# KiCad board 6502PC-6U.kicad_pcb (continued)
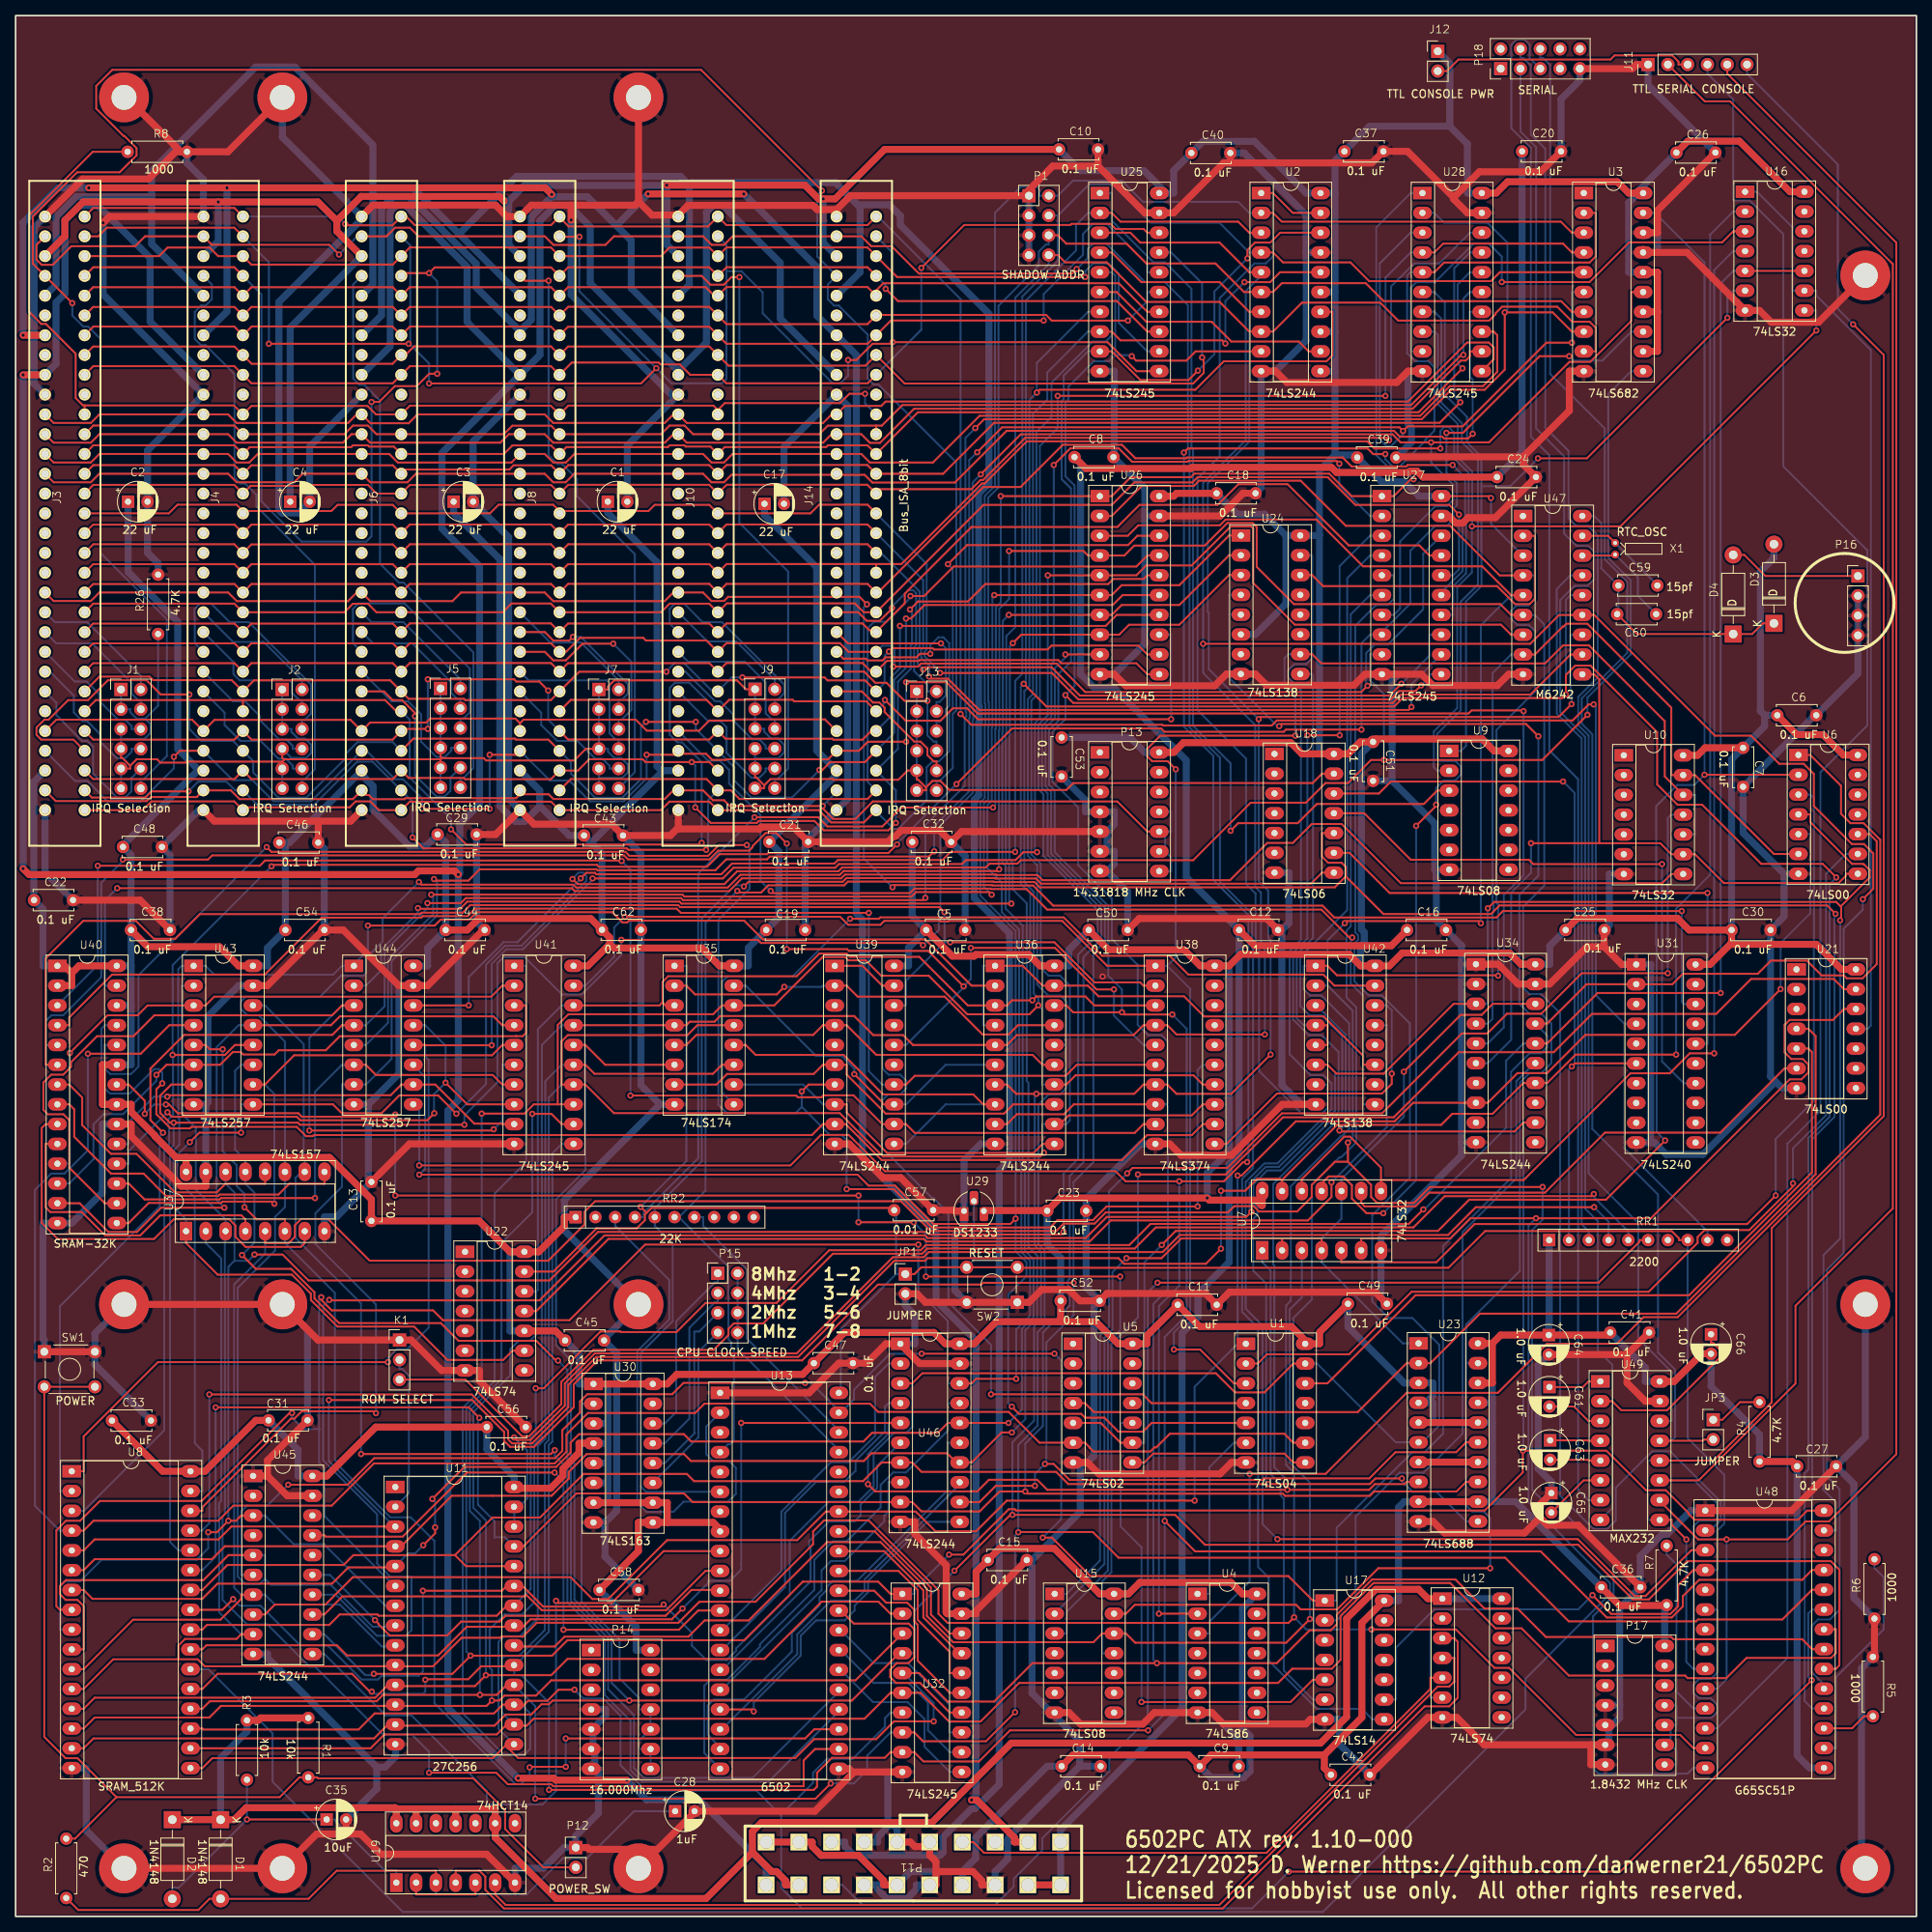
[diagram p0: board, top side]
## Routing (per net, layer and track width the routed paths; a pad name or vN(x,y) marks a point on that pad's centre or on a via; arc(x,y) is an arc through that point) (continued)
  Bottom w0.25: RR1.5 207.02,87.94 202.59,92.37 v1(202.59,92.74)
PWR_ON: length 72.3
  Top w0.25: U12.5 181.62,30.63 181.62,29.2 160.57,8.16 124.32,8.16 122.93,9.55 P11.8
R/W: length 396.6
  Top w0.25: U48.28 229.97,52.09 228.8,50.92 215.49,50.92 214.75,51.67 214.75,51.79 211.83,54.71 209.29,54.71 204.21,59.79 v1(193.48,59.79) 193.48,57 188.58,52.11 128.43,52.11 128.26,52.27 127.49,52.27 121.66,46.44 v1(119.82,46.44) ; v1(45.98,31.14) 45.99,31.13 56.07,31.13 v1(58.41,33.47) 68.86,33.47 70.85,35.46 93.54,35.46 101.06,42.97 110.73,42.97 112.3,41.4 U32.1 ; U34.12 193.55,101.9 192.41,100.76 170.06,100.76 v1(169.93,100.88)
  Bottom w0.25: v1(45.98,31.14) 45.81,30.97 44.89,30.97 39.63,36.22 U45.12 ; U34.12 193.55,101.9 193.55,59.86 v1(193.48,59.79) ; v1(169.93,100.88) 170.74,101.69 170.74,113.17 166.97,116.94 U42.3 ; U41.1 65.53,122.02 65.53,96.81 61.48,92.75 61.48,68.71 57.86,65.09 57.86,34.02 v1(58.41,33.47) ; v1(119.82,46.44) 115.35,41.97 115.35,41.4 U32.1
RESET: length 362.6
  Top w0.25: J3.2 2.69,214.57 2.69,212.68 3.35,212.01 4.76,212.01 7.15,214.4 15.35,214.4 16.62,215.67 J4.2 25.19,214.58 40.27,214.58 v1(41.52,213.33) ; J6.2 47.6,215.67 48.71,216.77 50.62,216.77 51.73,215.67 J8.2 67.94,215.67 69.04,214.56 75.71,214.56 76.82,215.67 J10.2 88.25,215.67 89.35,214.57 90.95,214.57 92.05,215.67 J14.2 108.56,215.67 109.83,214.4 112.46,214.4 115.96,210.89 135.63,210.89 v1(136.2,211.46)
  Bottom w0.25: v1(41.52,213.33) 43.85,215.67 J6.2 ; U17.8 174.15,25.3 172.8,26.64 167.05,26.64 160.87,32.83 160.87,43.47 159.5,44.84 159.5,75.54 157.44,77.59 157.44,94.65 158.85,96.06 158.85,124.18 158.72,124.3 158.72,128.7 154.6,132.82 154.6,148.74 150.69,152.64 150.69,188.2 150.48,188.41 150.48,206.83 147.5,209.82 144.96,209.82 140.02,214.75 138.33,214.75 137.62,214.04 137.62,212.88 v1(136.2,211.46)
RTS: length 188.9
  Bottom w0.25: P18.4 193.17,238.55 193.54,238.55 194.51,237.59 194.51,228.74 196.37,226.88 196.37,191.1 199.34,188.13 199.34,179.49 200.34,178.49 201.85,178.49 203.09,177.25 203.09,159.04 200.59,156.54 200.59,152.92 201.92,151.59 201.92,95.38 208.29,89.01 208.29,74.2 212.57,69.92 212.57,63.6 U49.14
RTS_TTL: length 242.2
  Top w0.25: J11.2 216.82,233 220.08,233 240.97,212.11 240.97,90.88 228.48,78.39 228.48,68.4 216.05,55.98 U49.11
  Bottom w0.25: U48.8 215.37,34.31 215.37,50.06 216.13,50.82 218.13,50.82 218.42,51.11 218.42,53.03 215.47,55.98 U49.11
RXD: length 197.3
  Bottom w0.25: U49.8 204.95,52.42 204.95,70.81 203.11,72.66 203.11,89.24 201.47,90.88 201.47,151.4 198.28,154.59 198.28,168.96 200.12,170.8 201.77,170.8 202.64,171.67 202.64,175.18 201.87,175.95 200.34,175.95 198.78,177.52 198.78,187.42 195.18,191.01 195.18,227.11 193.17,229.12 P18.3
RXD_TTL: length 232.7
  Bottom w0.25: U48.12 218.42,24.15 227.43,33.17 227.43,99.2 231.68,103.45 231.68,146.87 237.69,152.88 237.69,175.37 226.92,186.15 226.92,215.94 222.59,220.26 220.59,220.26 220.48,220.37 220.48,233.24 217.18,236.54 J11.4
SHADOW-IO: length 129
  Top w0.25: U21.4 230.13,113.94 231.06,113.02 231.06,95.26 213.17,77.37 187.97,77.37 181.62,71.02 U23.2 178.57,71.02 172.29,64.74 138.42,64.74 137.27,65.89 U5.4
SMEMR: length 122.4
  Top w0.25: v1(186.94,178.44) 206.01,178.44 v1(231.15,203.58)
  Bottom w0.25: U9.2 182.49,147.07 182.04,147.52 182.04,152.1 185.05,155.11 185.05,170.64 186.94,172.52 v1(186.94,178.44) 186.97,178.47 186.97,185.47 185.11,187.34 185.11,191.59 182.57,194.13 182.57,202.98 182.12,203.43 U28.8 ; v1(231.15,203.58) 231.15,206.15 U16.8
SMEMW: length 61.7
  Top w0.25: U16.3 220.48,216.31 219.06,214.89 207.13,214.89 202.03,209.79 v1(190.78,209.79)
  Bottom w0.25: U28.9 179.07,200.89 179.07,209.05 179.81,209.78 182.2,209.78 187.19,214.77 189.07,214.77 190.78,213.06 v1(190.78,209.79)
TC: length 235.6
  Top w0.25: J10.27 85.07,152.21 ; 85.07,152.21 87.74,152.21 89.04,153.51 92.18,153.51 92.33,153.66 103.89,153.66 J14.27 ; 85.07,152.21 81.02,152.21 79.61,153.62 65.2,153.62 64.75,153.17 ; 64.75,153.17 64.16,153.76 53.21,153.76 52.7,153.25 45.51,153.25 J6.27 43,153.6 25.53,153.6 J4.27 22.65,153.62 5.24,153.62 J3.27 ; 64.75,153.17 J8.27 ; v1(171.58,125.66) 171.21,125.66 167.62,129.24 132.42,129.24 129.78,131.88 125.2,131.88 125.15,131.94 115.38,131.94 114.8,131.36 97.2,131.36 v1(96.93,131.63)
  Bottom w0.25: v1(96.93,131.63) 95.62,132.94 95.62,141.38 91.59,145.41 91.59,147.19 90.42,148.36 88.88,148.36 J10.27 ; U42.9 172.98,104.24 172.98,118.17 171.38,119.77 171.38,125.46 v1(171.58,125.66)
TXD: length 199
  Bottom w0.25: 195.71,237.19 194.35,238.55 194.35,240.26 193.68,240.93 192.69,240.93 191.99,240.24 191.99,229.55 194.51,227.04 194.51,189.96 196.87,187.59 196.87,149.67 200.57,145.97 200.57,54.77 201.9,53.44 U49.7
TXD_TTL: length 245.6
  Top w0.25: U49.10 211.05,53.33 215.99,48.4 v1(219.63,48.4) 227.48,48.4 229.78,50.7 232.78,50.7 241.42,59.33 241.42,214.84 219.72,236.54 J11.5
  Bottom w0.25: U48.10 218.42,29.23 219.63,30.44 v1(219.63,48.4)
W/R: length 127.1
  Top w0.25: v1(228.16,94.1) 228.16,93.71 222.56,88.11 216.82,88.11 215.91,87.2 215.91,86.46 209.64,80.19 179.2,80.19 171.18,72.16 160.64,72.16 159.44,70.97 U1.2
  Bottom w0.25: v1(228.16,94.1) 228.16,98.59 232.4,102.83 232.4,133.83 234.95,136.38 U6.9
XM16: length 260
  Top w0.25: U3.9 202.82,200.89 202.82,203.93 202.05,204.7 199.82,204.7 197.9,206.63 190.82,206.63 189.97,205.78 189.97,205.66 189.16,204.85 177.47,204.85 175.17,207.15 165.13,207.15 161.41,203.43 U2.8 158.36,203.43 154.55,207.24 145.14,207.24 140.06,212.32 134.73,212.32 133.8,213.26 P1.8 ; v1(51.65,129.44) 51.75,129.34 57.05,129.34 57.98,130.26 85.24,130.26 85.49,130.01 v1(127.83,130.01)
  Bottom w0.25: v1(127.83,130.01) 127.54,130.29 127.54,135.05 127.11,135.48 127.11,151.84 127.18,151.91 127.18,164.36 128.33,165.51 128.33,207.79 132.62,212.08 P1.8 ; U44.2 44.95,119.48 46.92,121.45 46.92,124.09 51.65,128.82 v1(51.65,129.44)
XM17: length 259.4
  Top w0.25: v1(125.29,131.16) 124.96,131.49 115.57,131.49 114.99,130.91 85.86,130.91 85.61,131.16 v1(53.35,131.16) ; P1.6 133.8,215.8 134.87,214.72 142.61,214.72 145.16,212.18 154.03,212.18 157.69,208.51 U2.6 161.41,208.51 162.55,209.65 173.31,209.65 175.61,207.35 198.4,207.35 199.77,205.97 U3.7
  Bottom w0.25: v1(125.29,131.16) 124.29,132.16 124.29,142.83 124.86,143.4 124.86,152.77 124.93,152.85 124.93,155.85 124.86,155.93 124.86,182.14 126.17,183.45 126.17,206.75 131.35,211.93 131.35,213.72 132.26,214.62 132.62,214.62 P1.6 ; U44.5 44.95,111.86 47.82,114.73 47.82,122.87 53.6,128.65 53.6,130.92 v1(53.35,131.16)
XM18: length 247.7
  Top w0.25: v1(128.31,136.65) 120.01,136.65 118.97,135.6 105.56,135.6 105.11,135.15 91.96,135.15 90.58,133.78 74.56,133.78 74.37,133.96 73.26,133.96 v1(72.55,133.26) ; U3.5 190.53,211.05 189.39,209.91 173.76,209.91 171.35,212.32 162.68,212.32 161.41,213.59 U2.4 ; U44.14 v1(58.17,116.94)
  Bottom w0.25: v1(128.31,136.65) 128.31,158.6 129.23,159.52 129.23,207.92 133.8,212.49 133.8,218.34 ; U2.4 158.36,213.59 154.55,217.4 145.71,217.4 140.77,222.35 137.8,222.35 133.8,218.34 ; P1.4 133.8,218.34 ; v1(72.55,133.26) 72.55,133.18 64.42,125.05 62.63,125.05 58.17,120.59 v1(58.17,116.94)
XM19: length 365.6
  Top w0.25: U2.2 161.41,218.67 162.54,217.55 198.36,217.55 199.77,216.13 U3.3 ; U1.5 145.83,63.35 144.71,62.22 141.56,62.22 139.76,64.02 137.27,64.02 136.78,64.51 128.8,64.51 v1(127.88,65.44) ; v1(51.82,95.22) 108.08,95.22 109.48,93.81 112.91,93.81 117.84,88.88 127.68,88.88 v1(128.37,89.57)
  Bottom w0.25: U44.11 51.05,109.28 52.57,107.75 52.57,95.97 v1(51.82,95.22) ; U2.2 158.36,218.67 156.95,220.09 144.74,220.09 142.02,222.81 135.73,222.81 133.8,220.88 P1.2 131.45,220.88 131.45,221.71 131.1,222.06 129.08,222.06 125.72,218.69 125.72,183.64 124.41,182.32 124.41,155.74 124.48,155.66 124.48,153.03 124.41,152.96 124.41,143.58 123.84,143.02 123.84,131.03 128.37,126.51 v1(128.37,89.57) 128.37,85.38 129.76,83.98 129.76,82.16 127.41,79.81 127.41,65.9 v1(127.88,65.44)
Net-(D1-A): length 88.4
  Top w0.25: U19.3 53.95,5.86 41.21,5.86 37.61,2.26 D1.2 24.89,2.26 23.46,0.82 8.04,0.82 R2.1
  Bottom w0.25: C28.1 79.4,13.51 73.37,7.47 70.28,7.47 65.62,2.81 53.95,2.81 U19.3
Net-(D2-A): length 43.3
  Top w0.25: C35.1 v1(29.7,12.45)
  Bottom w0.25: D2.2 20.12,3.68 20.94,3.68 v1(29.7,12.45) R3.1 ; U19.1 48.87,5.86 47.42,5.86 41.05,12.23 41.05,12.45 C35.1
Net-(D3-K): length 37.2
  Top w0.25: D3.1 224.29,165.99 222.92,164.61 D4.1 208.14,164.61 C60.1
  Bottom w0.25: C60.1 205.75,167.32 C59.1 203.54,173.05 203.54,178.86 202.64,179.76 U47.18
Net-(D4-A): length 17.1
  Top w0.25: D4.2 221.9,174.77 224.61,172.07 P16.1
Net-(J1-Pin_2): length 17.4
  Bottom w0.25: J3.21 5.06,166.14 9.19,166.14 16.07,159.26 J1.2
Net-(J1-Pin_4): length 17.9
  Bottom w0.25: J3.22 5.24,163.41 9.84,163.41 14.9,158.35 14.9,156.94 15.71,156.14 16.07,156.14 J1.4
Net-(J1-Pin_6): length 17.1
  Bottom w0.25: J1.6 14.9,152.42 14.9,152.79 14.09,153.6 13.17,153.6 10.72,156.05 10.72,156.93 9.14,158.52 7.6,158.52 J3.23
Net-(J1-Pin_8): length 19.4
  Bottom w0.25: J3.24 4.42,159.79 7.48,156.72 7.48,154.54 8.58,153.44 9.17,153.44 10.85,151.76 10.85,150.82 12.98,148.69 14.07,148.69 14.9,149.51 14.9,149.88 J1.8
Net-(J1-Pin_10): length 23.4
  Bottom w0.25: J3.25 5.24,155.79 5.24,154.2 8.54,150.9 9.19,150.9 9.95,150.13 9.95,146.69 13.06,143.59 14.02,143.59 14.86,144.43 14.86,146.12 J1.10
Net-(J2-Pin_2): length 17.5
  Bottom w0.25: J2.2 36.77,158.68 31.85,163.6 27.92,163.6 J4.21
Net-(J2-Pin_4): length 19.2
  Bottom w0.25: J4.22 27.97,161.01 27.97,159.46 28.75,158.68 35.22,158.68 35.5,158.39 35.5,157.04 36.4,156.14 36.77,156.14 J2.4
Net-(J2-Pin_6): length 31.9
  Bottom w0.25: J4.23 22.99,163.44 22.99,167.83 23.68,168.52 25.09,168.52 27.48,166.14 29.94,166.14 37.95,158.13 37.95,154.41 37.14,153.6 36.77,153.6 J2.6
Net-(J2-Pin_8): length 17.3
  Bottom w0.25: J2.8 35.59,149.88 35.59,150.25 34.79,151.06 33.86,151.06 31.33,153.58 31.33,154.1 29.46,155.98 27.92,155.98 J4.24
Net-(J2-Pin_10): length 17.9
  Bottom w0.25: J4.25 26.83,154.52 26.83,152.94 28.87,150.9 31.47,150.9 33.76,148.61 34.69,148.61 35.59,147.71 35.59,147.34 J2.10
Net-(J5-Pin_2): length 17.4
  Bottom w0.25: J6.21 45.7,166.14 49.78,166.14 57.09,158.82 J5.2
Net-(J5-Pin_4): length 18.2
  Bottom w0.25: J6.22 45.88,163.41 50.93,163.41 55.92,158.43 55.92,157.07 56.73,156.26 57.09,156.26 J5.4
Net-(J5-Pin_6): length 33.1
  Bottom w0.25: J6.23 43.3,163.45 43.3,167.83 44.02,168.54 49.92,168.54 58.32,160.15 58.32,154.58 57.46,153.72 57.09,153.72 J5.6
Net-(J5-Pin_8): length 20
  Bottom w0.25: J6.24 48.24,155.98 50.4,155.98 52.05,154.33 52.05,150.81 54.03,148.83 55.11,148.83 55.92,149.64 55.92,150.01 J5.8
Net-(J5-Pin_10): length 25.5
  Top w0.25: v1(51.27,154.07) 51.27,154.48 49.61,156.14 48.39,156.14 47.28,157.25 J6.25
  Bottom w0.25: J5.10 55.82,146.2 55.82,144.51 55.05,143.74 54.04,143.74 51.27,146.5 v1(51.27,154.07)
Net-(J7-Pin_2): length 17.5
  Bottom w0.25: J7.2 77.41,158.68 72.57,163.52 68.63,163.52 J8.21
Net-(J7-Pin_4): length 20.9
  Top w0.25: v1(71.54,164.24) 71.06,163.77 69.03,163.77 67.93,164.87 J8.22
  Bottom w0.25: v1(71.54,164.24) 72.56,164.24 78.59,158.21 78.59,156.95 77.78,156.14 77.41,156.14 J7.4
Net-(J7-Pin_6): length 26.1
  Top w0.25: J8.23 67.94,162.33 69.03,161.23 70.63,161.23 72.78,163.38 v1(76.72,163.38)
  Bottom w0.25: v1(76.72,163.38) 79.04,161.06 79.04,154.86 77.78,153.6 77.41,153.6 J7.6
Net-(J7-Pin_8): length 21.3
  Bottom w0.25: J8.24 65.86,158.68 75.9,158.68 76.24,158.34 76.24,151.86 77.05,151.06 77.41,151.06 J7.8
Net-(J7-Pin_10): length 17.9
  Bottom w0.25: J8.25 67.47,154.52 67.47,152.94 69.51,150.9 72.11,150.9 74.4,148.61 75.33,148.61 76.24,147.71 76.24,147.34 J7.10
Net-(J10-IRQ3): length 19.6
  Bottom w0.25: J10.25 88.88,153.44 90.48,153.44 91.26,152.66 91.26,149.35 94.45,146.17 95.45,146.17 96.29,147 96.29,147.37 J9.10
Net-(J10-IRQ4): length 17.2
  Bottom w0.25: J10.24 85.98,159.79 89.79,155.98 90.46,155.98 92.15,154.28 92.15,153.51 94.57,151.08 95.48,151.08 96.29,150.27 96.29,149.91 J9.8
Net-(J10-IRQ5): length 19.5
  Bottom w0.25: J9.6 97.46,153.62 97.09,153.62 96.29,154.43 96.29,158.39 93.62,161.06 86.34,161.06 J10.23
Net-(J10-IRQ6): length 26.6
  Bottom w0.25: J10.22 83.96,165.97 83.96,167.85 84.63,168.52 85.82,168.52 88.2,166.14 90.68,166.14 98.65,158.16 98.65,156.99 97.83,156.16 97.46,156.16 J9.4
Net-(J10-IRQ7): length 17.2
  Bottom w0.25: J10.21 88.81,163.66 92.5,163.66 97.46,158.7 J9.2
Net-(J11-Pin_3): length 33.6
  Top w0.25: J12.2 183.73,236.88 185.21,238.36 204.72,238.36 205.25,238.89 212.65,238.89 213.46,238.09 213.46,237.72 J11.3
Net-(J13-Pin_2): length 27.2
  Top w0.25: v1(112.51,167.96) 112.51,167.88 110.94,166.31 109.27,166.31 108.17,167.41 J14.21
  Bottom w0.25: v1(112.51,167.96) 112.51,168.15 114.59,170.24 115.22,170.24 115.6,169.86 115.6,163.19 115.34,162.93 115.34,159.85 117.04,158.15 117.04,157.25 J13.2
Net-(J13-Pin_4): length 23.7
  Top w0.25: J14.22 106.84,163.41 v1(118.78,163.41)
  Bottom w0.25: J13.4 118.22,155.89 118.59,155.89 119.4,156.7 119.4,162.8 v1(118.78,163.41)
Net-(J13-Pin_6): length 29.3
  Top w0.25: v1(117.41,162.07) 116.1,162.07 115.65,161.62 111.66,161.62 111.27,161.22 109.34,161.22 109.12,161.45 106.26,161.45 J14.23
  Bottom w0.25: v1(117.41,162.07) 117.41,163.15 118.45,164.19 119.11,164.19 119.85,163.44 119.85,155.42 119.39,154.96 119.39,154.15 118.59,153.35 118.22,153.35 118.22,152.17
Net-(J13-Pin_8): length 20.3
  Top w0.25: J14.24 108.93,159.79 110.36,158.36 111.79,158.36 114.1,156.05 v1(117.04,156.05)
  Bottom w0.25: v1(117.04,156.05) 117.04,151.61 117.85,150.81 118.22,150.81 J13.8
Net-(J13-Pin_10): length 18.6
  Top w0.25: J13.10 118.22,148.27 117.85,148.27 117.04,149.07 117.04,149.93 116.17,150.81 115.35,150.81 111.55,154.61 111.55,155.16 110.89,155.82 110.07,155.82 108.64,157.25 J14.25
Net-(JP3-A): length 6.9
  Top w0.25: JP3.1 219.09,63.75 221.35,66.01 R4.2
Net-(K1-Pin_2): length 20.3
  Bottom w0.25: K1.2 49.28,70.28 49.65,70.28 50.48,69.45 50.48,54.32 U11.2
Net-(P12-Pin_2): length 138.8
  Top w0.25: 12.95,15.31 7.63,9.99 R2.2 ; 12.95,15.31 7.96,20.31 6.42,20.31 3.68,23.04 SW1.2 SW1.2 ; 12.95,15.31 33.9,15.31 36.45,17.86 R1.2 38.7,17.86 38.83,17.72 58.75,17.72 62.84,13.63 62.84,11.21 67.76,6.3 P12.2
Net-(P15-Pin_1): length 23.9
  Bottom w0.25: U30.14 83.32,63.27 84.8,64.75 84.8,76.42 89.77,81.38 90.14,81.38 P15.1
Net-(P15-Pin_3): length 23.9
  Bottom w0.25: U30.13 83.32,60.73 86.5,63.91 86.5,75.57 89.78,78.84 90.14,78.84 P15.3
Net-(P15-Pin_5): length 24.1
  Bottom w0.25: P15.5 87.74,75.08 87.13,75.08 87.13,62.13 87.19,62.06 83.32,58.19 U30.12
Net-(P15-Pin_7): length 22.7
  Bottom w0.25: P15.7 87.64,72.44 87.64,61.5 U30.11
Net-(U1-Pad6): length 23.8
  Bottom w0.25: U1.6 156.39,60.81 153.25,57.66 153.25,41.4 U4.1
Net-(U1-Pad8): length 23.1
  Top w0.25: U1.8 164.01,58.27 162.88,59.4 146.03,59.4 144.89,58.27 U5.8
Net-(U1-Pad12): length 93.9
  Top w0.25: U1.12 168.4,68.43 179.71,79.74 214.82,79.74 230.58,95.5 230.58,110.95 230.13,111.4 U21.5
Net-(U4-Pad3): length 176.6
  Top w0.25: v1(158.41,56.81) 168.16,56.81 178.56,67.21 190.27,67.21 196.57,73.5 205.55,73.5 208.97,76.92 213.36,76.92 239.36,102.92 239.36,138.2 237.22,140.34 235.54,140.34 234.32,141.55 234.32,145.14 230.38,149.08 U6.1
  Bottom w0.25: v1(158.41,56.81) 158.41,43.01 153.25,37.85 153.25,36.32 U4.3
Net-(U6-Pad3): length 116
  Top w0.25: U7.5 170.19,83.97 182.37,83.97 187.28,88.88 222.27,88.88 v1(225.94,92.55)
  Bottom w0.25: v1(225.94,92.55) 225.94,99.8 230.85,104.71 230.85,143.54 230.38,144 U6.3
Net-(U12A-C): length 153.7
  Top w0.25: U19.4 56.49,5.86 59.55,5.86 60.3,5.11 60.3,3.41 62.69,1.02 154.93,1.02 180.88,26.97 184.02,26.97 185.12,28.06 185.12,35.26 184.67,35.71 U12.3
Net-(U12A-D): length 13.2
  Bottom w0.25: U12.6 181.62,28.09 181.62,38.25 U12.2
Net-(U12A-~{S}): length 141.6
  Top w0.25: U12.4 184.67,33.17 184.67,30.14 184.04,29.51 182.56,29.51 154.52,1.47 62.91,1.47 61.57,2.81 U19.6
Net-(U15-Pad11): length 168
  Top w0.25: v1(144.07,95.24) 155.34,95.24 162.68,102.58 176.91,102.58 185.27,110.94 197.44,110.94 202.35,115.85 218.3,115.85 222.78,120.34 233.39,120.34 234.7,119.02 U21.13
  Bottom w0.25: U15.11 139.48,33.78 139.48,43 140.66,44.19 140.66,73.49 144.07,76.89 v1(144.07,95.24)
Net-(U17-Pad6): length 61.9
  Bottom w0.25: U7.1 160.03,83.97 161.11,82.89 161.11,56.74 162.38,55.47 162.38,54.04 162.8,53.62 162.8,31.57 166.53,27.84 U17.6
Net-(U19-Pad2): length 10.7
  Top w0.25: U19.2 51.41,2.81 59.03,2.81 U19.5
Net-(U21-Pad6): length 64.9
  Top w0.25: U21.6 227.08,108.86 218.83,100.61 204.02,100.61 196.32,92.91 181.45,92.91 179.69,91.14 173.18,91.14 172.73,91.59 U7.9
Net-(U25-A->B): length 120.8
  Top w0.25: v1(155.96,139.36) 156.93,140.34 164.57,140.34 167.04,142.8 180.77,142.8 182.49,144.53 U9.3
  Bottom w0.25: U25.1 140.71,221.21 140.71,217.69 146.07,212.32 147.54,212.32 150.93,208.93 150.93,188.6 151.14,188.39 151.14,152.83 155.96,148.02 v1(155.96,139.36)
Net-(U30-CP): length 55.5
  Bottom w0.25: P14.11 81.39,26.56 ; 81.39,26.56 81.49,26.46 81.49,24.02 81.5,24.02 ; 81.39,26.56 79.98,26.56 79.98,28.09 77.53,30.54 77.53,35.54 72.65,40.41 72.65,65.81 U30.2 ; P14.8 81.51,20.72 80.75,21.48 ; 80.75,21.48 79.98,21.48 79.98,22.51 81.5,24.02 ; 80.75,21.48 P14.9 ; P14.10 81.5,24.02
Net-(U31-O1a): length 71
  Top w0.25: U18.9 171.23,136.53 176.38,131.38 v1(217.18,131.38)
  Bottom w0.25: U31.16 217.18,112.04 v1(217.18,131.38)
Net-(U31-O2a): length 75.6
  Top w0.25: U18.11 173.12,141.61 179.09,135.64 194.26,135.64 194.82,135.08 v1(211.34,135.08)
  Bottom w0.25: U31.14 214.13,106.96 211.34,109.74 v1(211.34,135.08)
Net-(U34-I2b): length 85.5
  Bottom w0.25: U34.15 194.96,109.52 192.65,107.21 192.65,94.75 185.74,87.84 185.74,61.97 180.71,56.94 177.65,56.94 172.02,51.32 172.02,40.44 169.58,38 U17.2
Net-(U35-Q0): length 52.8
  Top w0.25: v1(98.67,119.32) 97.71,118.36 87.23,118.36 86.1,119.48 U35.2 ; U39.2 106.68,119.48 108.09,118.07 119.27,118.07 124.13,113.21 127.47,113.21 128.66,114.4 U36.17
  Bottom w0.25: v1(98.67,119.32) 103.46,119.32 103.63,119.48 U39.2
Net-(U35-Q1): length 51.9
  Top w0.25: U35.5 86.1,111.86 87.39,113.15 102.38,113.15 103.63,114.4 U39.4 106.68,114.4 110.49,110.59 130.55,110.59 131.82,109.32 U36.15
Net-(U35-Q2): length 53.6
  Top w0.25: U35.7 89.97,106.78 91.33,108.14 102.45,108.14 103.63,109.32 U39.6 106.68,109.32 106.68,108.07 111.7,103.05 126.88,103.05 128.07,104.24 U36.13
Net-(U35-Q3): length 45.9
  Top w0.25: U39.8 106.68,104.24 106.68,103.19 111.87,98.01 130.67,98.01 131.82,99.16 U36.11
  Bottom w0.25: U35.10 101.09,106.78 103.63,104.24 U39.8
Net-(U35-Q4): length 51.7
  Top w0.25: U35.12 93.72,111.86 95,110.59 106.29,110.59 111.37,105.51 122.93,105.51 124.2,104.24 U36.8
  Bottom w0.25: U36.8 119.38,104.24 114.3,99.16 U39.11
Net-(U35-Q5): length 42.5
  Top w0.25: v1(107.66,108.12) 111.25,104.53 111.25,104.24 U39.13
  Bottom w0.25: U36.6 119.38,109.32 114.3,104.24 U39.13 ; v1(107.66,108.12) 107.66,108.82 106.03,110.46 102.75,110.46 93.72,119.48 U35.15
Net-(U37-Za): length 39.6
  Top w0.25: U40.10 3.84,99.16 3.84,91.05 4.47,90.42 8.49,90.42 11.5,87.41 15.99,87.41 18.57,90 28.99,90 29.5,89.49 U37.4
Net-(U37-Zb): length 54.1
  Top w0.25: U40.9 3.84,101.7 3.35,101.21 3.35,89.02 5.42,86.96 17.78,86.96 20.31,89.49 27.42,89.49 28.23,88.69 28.23,87.24 29.53,85.94 36.62,85.94 37.12,86.44 U37.7
Net-(U37-Zc): length 43.4
  Top w0.25: U40.8 6.89,104.24 7.53,103.61 7.53,100.08 12.26,95.35 16.43,95.35 19.29,92.49 26.02,92.49 26.18,92.66 33.74,92.66 35.14,94.06 39.66,94.06 U37.9
Net-(U37-Zd): length 36.5
  Top w0.25: U40.7 6.89,106.78 8.55,105.12 8.55,101.58 12.24,97.89 15.52,97.89 20.47,92.94 25.83,92.94 26.94,94.06 32.04,94.06 U37.12
Net-(U38-O0): length 180.6
  Top w0.25: U40.6 3.84,109.32 3.84,122.96 8.68,127.8 15.44,127.8 17.74,125.5 20.49,125.5 23.66,128.66 51.9,128.66 52.08,128.85 57.4,128.85 58.36,129.81 85.05,129.81 85.3,129.56 118.59,129.56 v1(119.24,128.9) ; U38.2 144.78,119.48 144.37,119.9 138.5,119.9 133.35,125.05 v1(119.97,125.05)
  Bottom w0.25: 119.24,125.05 114.3,120.1 114.3,116.94 U39.18 ; 119.24,125.05 v1(119.24,128.9) ; 119.24,125.05 v1(119.97,125.05)
Net-(U38-O1): length 204.5
  Top w0.25: v1(99,124.17) 106.74,124.17 106.97,123.94 117.15,123.94 v1(121.7,119.39) ; v1(122.62,124.32) 133.43,124.32 138.77,118.99 v1(140.99,118.99) ; v1(99,137.72) 97.65,139.07 96.28,139.07 94.59,137.38 94.59,137.23 94.17,136.81 90.2,136.81 89.08,135.69 78.61,135.69 78.1,136.2 25.24,136.2 24.7,135.66 v1(13.77,135.66)
  Bottom w0.25: v1(13.77,135.66) 13.77,135.46 11,132.7 11,120.56 6.11,115.67 4.61,115.67 3.84,114.9 3.84,111.86 U40.5 ; U39.16 114.3,111.86 121.7,119.26 v1(121.7,119.39) 122.62,120.31 v1(122.62,124.32) ; v1(99,124.17) v1(99,137.72) ; U38.5 144.78,111.86 140.99,115.65 v1(140.99,118.99)
Net-(U38-O2): length 170
  Top w0.25: U39.14 114.3,106.78 115.43,107.91 134.8,107.91 136.21,109.32 U38.6 ; U40.4 6.89,114.4 6.89,115.4 12.39,120.9 32,120.9 39.31,128.21 52.08,128.21 52.27,128.4 58.02,128.4 58.99,129.36 84.86,129.36 85.41,128.82 v1(109.52,128.82)
  Bottom w0.25: v1(109.52,128.82) 109.52,108.51 111.25,106.78 U39.14
Net-(U38-O3): length 188.2
  Top w0.25: v1(78.92,105.37) 100.19,105.37 100.41,105.15 103.45,105.15 103.71,105.4 107.55,105.4 111.25,101.7 U39.12 114.3,101.7 115.43,100.57 143.65,100.57 144.78,101.7 U38.9 ; v1(77.8,135.48) 77.73,135.54 32.03,135.54 31.36,134.87 v1(10.55,134.87)
  Bottom w0.25: v1(77.8,135.48) 78.92,134.35 v1(78.92,105.37) ; v1(10.55,134.87) 10.55,122.12 U40.3
Net-(U38-O4): length 166.4
  Top w0.25: U38.12 152.4,101.7 150.99,100.29 145.23,100.29 142.04,97.1 111.17,97.1 106.56,101.7 U39.9 103.63,101.7 102.23,100.3 38.29,100.3 38.14,100.16 37.28,100.16 36.09,101.35 22.57,101.35 22.37,101.15 19.91,101.15 18.07,102.99 18.07,106.18 v1(18.83,106.94)
  Bottom w0.25: v1(18.83,106.94) 18.83,108.3 18.37,108.77 17.78,108.77 14.63,105.62 12.12,105.62 11.01,106.73 11.01,113.95 11.46,114.4 U40.25
Net-(U38-O5): length 242.4
  Top w0.25: v1(100.92,105.91) 101.8,106.78 U39.7 ; v1(93.87,137.53) 90.28,137.53 88.89,136.14 78.8,136.14 78.28,136.65 32.84,136.65 v1(32.23,137.26) ; v1(151.73,91.13) 140.05,91.13 138.3,89.39 133.74,89.39 132.79,88.43 117.65,88.43 112.72,93.36 v1(106.68,93.36)
  Bottom w0.25: 100.92,103.9 104.54,100.29 106.04,100.29 106.68,99.65 v1(106.68,93.36) ; 100.92,103.9 v1(100.92,105.91) ; 100.92,103.9 100.12,103.1 91.3,103.1 90.22,104.19 90.22,127.92 94.21,131.91 94.21,137.19 v1(93.87,137.53) ; U38.15 152.4,109.32 151.73,108.65 v1(151.73,91.13) ; U40.24 11.46,111.86 11.46,108.82 12.15,108.14 14.81,108.14 15.77,109.09 15.77,120.8 v1(32.23,137.26)
Net-(U39-OEa): length 106.1
  Top w0.25: U39.1 108.71,122.02 111.25,119.48 U39.19 ; U1.4 145.82,65.89 144.68,67.02 v1(125.21,67.02)
  Bottom w0.25: v1(125.21,67.02) 125.21,73.36 119.74,78.83 119.74,90.29 117.82,92.21 117.65,92.21 111.22,98.64 111.22,104.73 112,105.51 113.56,105.51 114.33,106.29 114.33,107.28 113.56,108.05 112.04,108.05 111.25,108.85 111.25,119.48 U39.19
Net-(U40-Q0): length 76.4
  Top w0.25: U41.2 62.48,119.48 61.06,118.07 25.5,118.07 24.38,116.94 U43.3 16.94,116.94 15.67,115.67 11.79,115.67 v1(6.96,110.84)
  Bottom w0.25: v1(6.96,110.84) 6.96,96.69 6.89,96.62 U40.11
Net-(U40-Q1): length 76.6
  Top w0.25: v1(18.08,108.03) 19.38,109.32 U43.6 26.25,109.32 27.89,110.96 28.9,110.96 29.22,110.64 33.25,110.64 33.79,111.19 39.82,111.19 41.62,112.99 64.23,112.99 64.27,113.03 64.31,112.99 65.09,112.99 65.54,113.44 65.53,113.45 65.53,116.94 U41.3
  Bottom w0.25: U40.12 6.89,94.08 10,97.19 10,101.68 11.31,102.99 13.79,102.99 18.08,107.28 v1(18.08,108.03)
Net-(U40-Q2): length 85.6
  Top w0.25: U43.13 40.49,114.4 41.63,115.54 61.34,115.54 62.48,114.4 U41.4 ; v1(26.8,90.98) 18.69,90.98 15.57,87.86 11.91,87.86 8.23,91.54 U40.13
  Bottom w0.25: v1(26.8,90.98) 25.8,91.97 25.8,111.57 28.64,114.4 U43.13
Net-(U40-Q3): length 74.5
  Top w0.25: U40.15 14.51,89 17.1,91.59 26.38,91.59 26.56,91.76 32.94,91.76 v1(33.22,91.48) ; U43.10 32,106.78 35.76,110.54 61.16,110.54 62.48,111.86 U41.5
  Bottom w0.25: U43.10 32,106.78 33.22,105.56 v1(33.22,91.48)
Net-(U40-Q4): length 119.1
  Top w0.25: U44.3 41.9,116.94 40.63,115.67 17.81,115.67 15.13,112.99 10.46,112.99 7.12,109.65 7.12,109.06 6.11,108.05 4.57,108.05 3.56,107.05 3.56,103.53 4.12,102.97 6.14,102.97 6.89,102.22 6.89,96.11 11.46,91.54 U40.16 ; v1(61.38,101.04) 61.22,100.88 v1(37.71,100.88)
  Bottom w0.25: v1(37.71,100.88) 37.71,112.75 41.9,116.94 U44.3 ; v1(61.38,101.04) 62.48,102.14 62.48,109.32 U41.6
Net-(U40-Q5): length 68.1
  Top w0.25: U44.6 44.95,109.32 46.27,108.01 61.25,108.01 62.48,106.78 U41.7 ; v1(38.44,92.21) 26.37,92.21 26.2,92.04 16.56,92.04 14.51,94.08 U40.17
  Bottom w0.25: v1(38.44,92.21) 38.44,105.85 41.9,109.32 U44.6
Net-(U40-Q6): length 69.8
  Top w0.25: v1(55.19,107.02) 57.97,104.24 U41.8 ; v1(53.75,103.1) 52.85,102.2 36.56,102.2 36.11,102.65 20.07,102.65 v1(19.49,103.23)
  Bottom w0.25: U44.13 52.57,114.4 55.19,111.78 v1(55.19,107.02) 53.71,105.53 53.71,103.1 v1(53.75,103.1) ; U40.18 14.51,96.62 14.51,98.25 v1(19.49,103.23)
Net-(U40-Q7): length 57.9
  Top w0.25: U41.9 62.48,101.7 62.41,101.77 58.88,101.77 53.87,106.78 U44.10 49.52,106.78 48.15,105.41 19.66,105.41 v1(19.48,105.23)
  Bottom w0.25: U40.19 14.51,99.16 14.51,101.97 17.77,105.23 v1(19.48,105.23)
